# KiCad board Marble.kicad_pcb (continued)
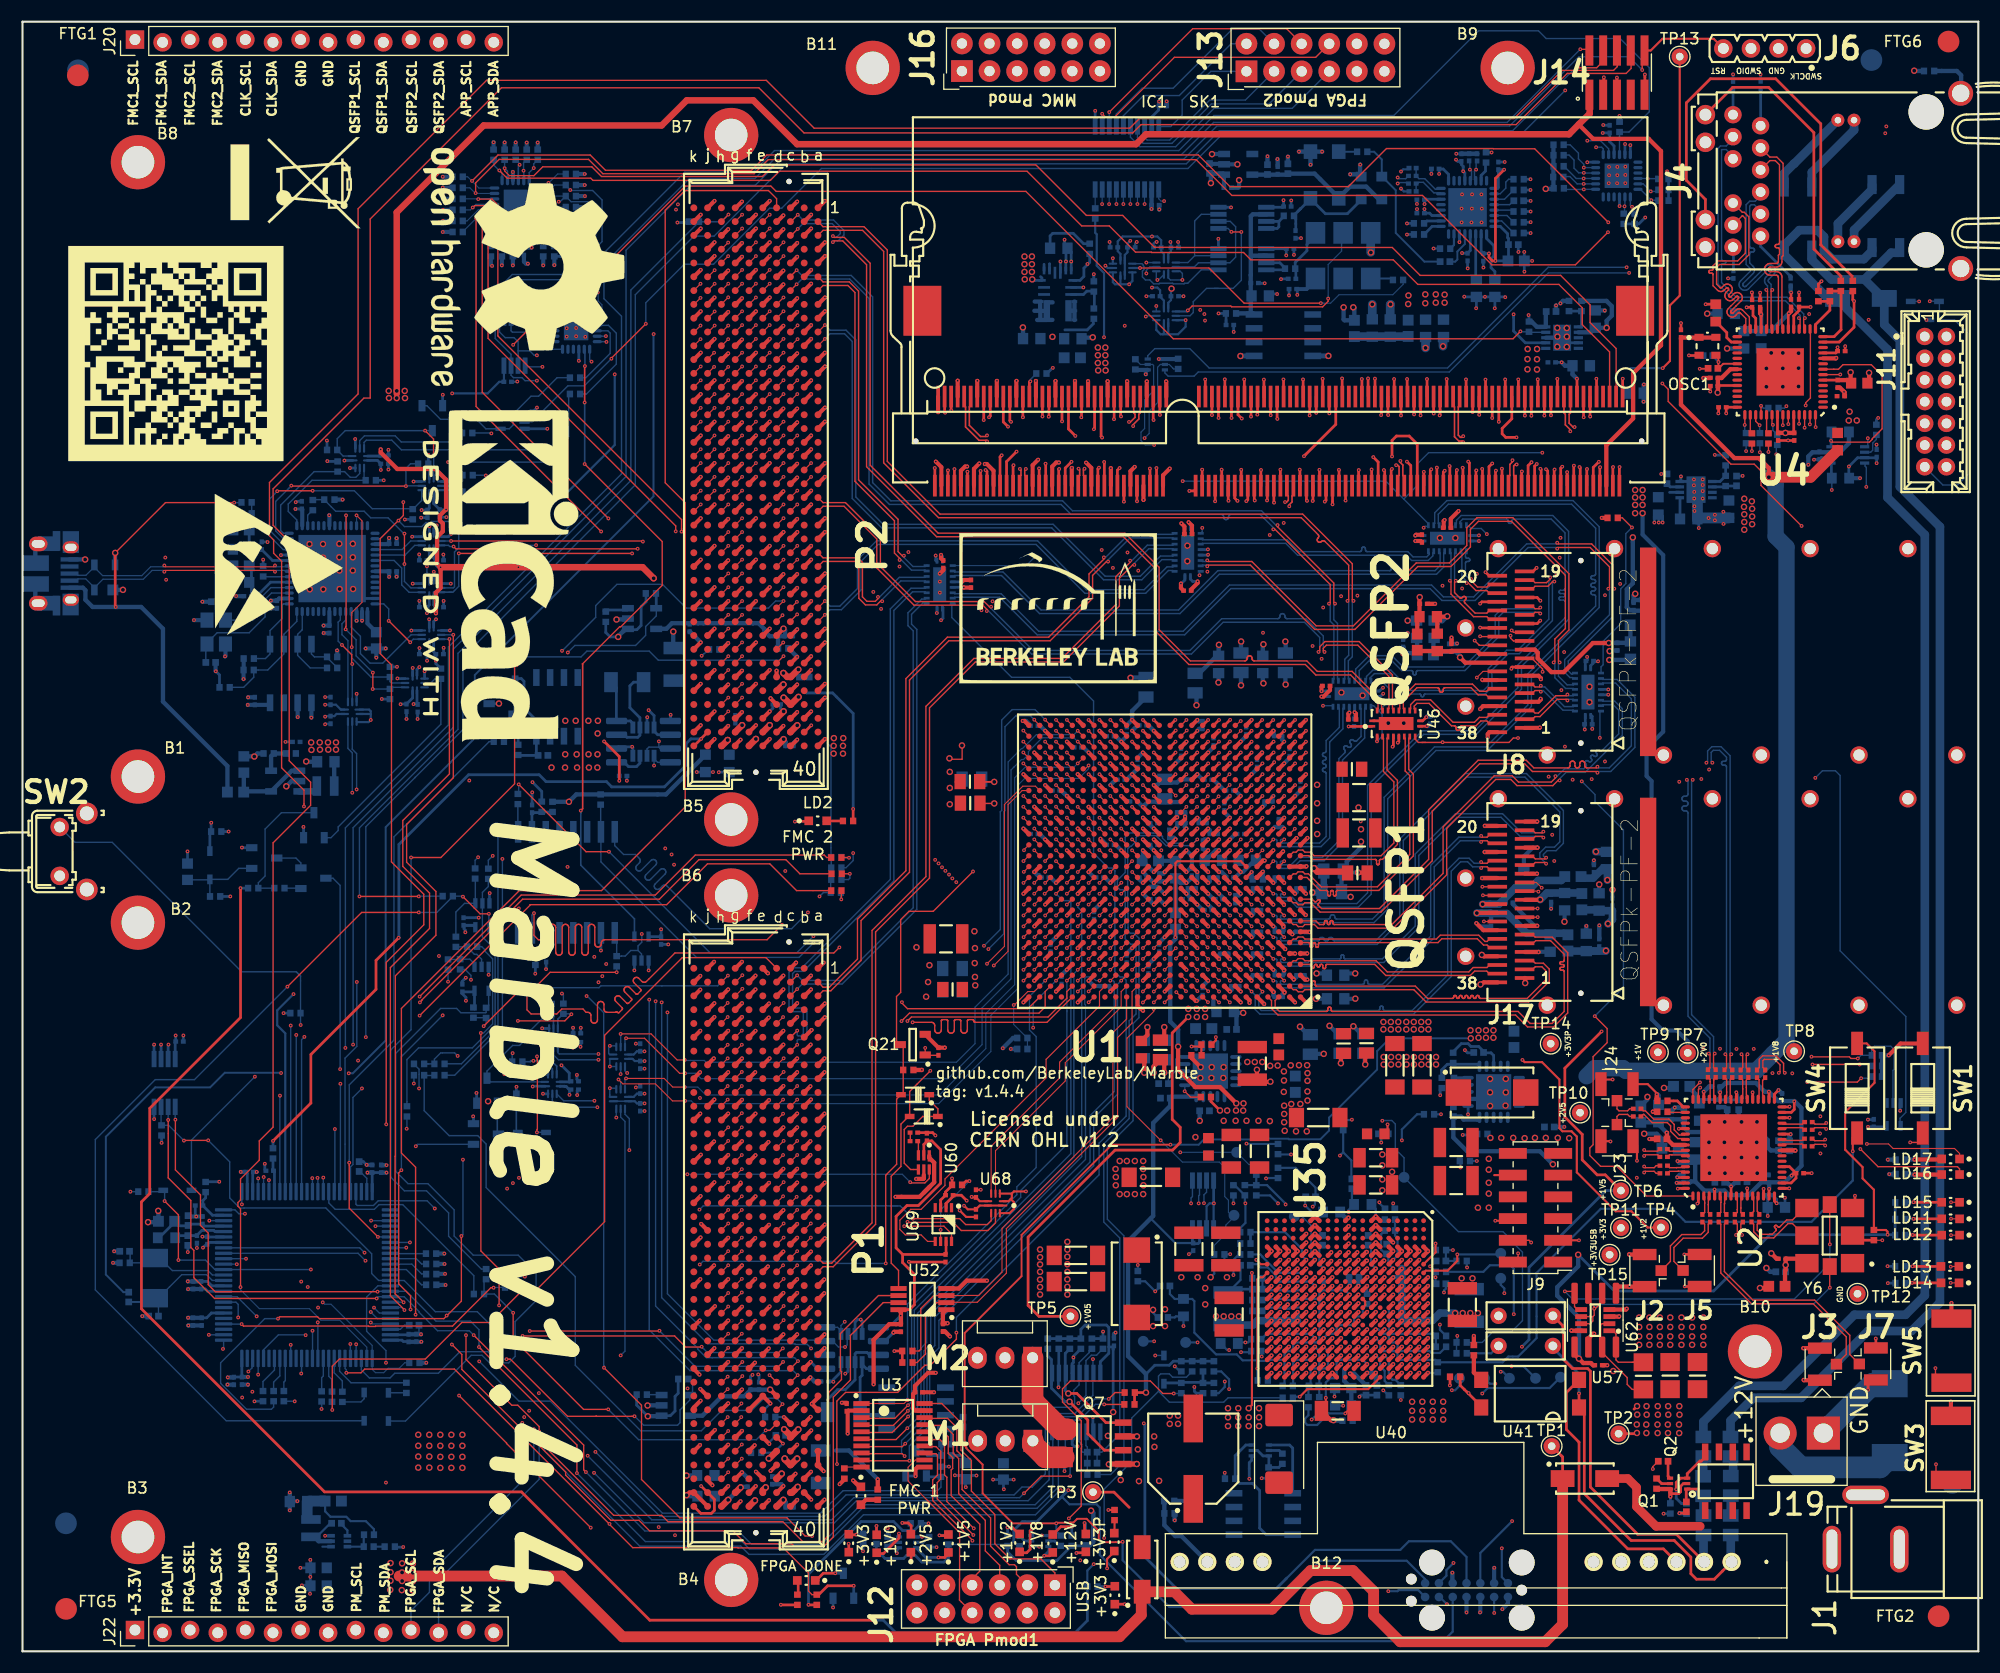
[diagram p0: board, top side]
## Placement (name value [footprint] x y rotation side) (continued)
R134  0R005  [RESC3216X80N#2]  121.05 22.13 0 top
R135  R0402_0R_JUMPER  [RESC1005X40N]  23.11 23.49 90 bottom
R136  R0402_0R_JUMPER  [RESC1005X40N]  24.05 23.49 90 bottom
R137  R0402_10K_1%_0.0625W_100PPM  [RESC1005X40N]  36.07 26.56 0 bottom
R138  R0402_10K_1%_0.0625W_100PPM  [RESC1005X40N]  11.12 42.31 180 bottom
R139  R0402_100R_1%_0.1W_100PPM  [RESC1005X40N]  118.35 22.93 270 bottom
R140  R0402_0R_JUMPER  [RESC1005X40N]  109.65 24.23 90 bottom
R141  R0402_0R_JUMPER  [RESC1005X40N]  108.65 24.23 90 bottom
R142  R0402_10K_1%_0.0625W_100PPM  [RESC1005X40N]  44.88 33.49 0 bottom
R143  R0402_0R_JUMPER  [RESC1005X40N]  130.55 28.03 180 bottom
R144  R0402_1K_1%_0.0625W_100PPM  [RESC1005X40N]  37.6 36.6 0 bottom
R145  R0402_0R_JUMPER  [RESC1005X40N]  125.75 24.03 270 bottom
R146  R0402_1K_1%_0.0625W_100PPM  [RESC1005X40N]  37.61 35.65 0 bottom
R147  R0402_1K_1%_0.0625W_100PPM  [RESC1005X40N]  37.61 34.72 0 bottom
R148  R0402_0R_JUMPER  [RESC1005X40N]  126.85 24.03 270 bottom
R149  R0402_100K_1%_0.0625W_100PPM  [RESC1005X40N]  108.65 26.23 90 bottom
R150  R0402_0R_JUMPER  [RESC1005X40N]  125.85 38.73 0 bottom
R151  R0402_100R_1%_0.1W_100PPM  [RESC1005X40N]  35.33 24.25 90 bottom
R152  R0402_100R_1%_0.1W_100PPM  [RESC1005X40N]  29.44 23.42 90 bottom
R153  R0402_100R_1%_0.1W_100PPM  [RESC1005X40N]  28.48 23.43 90 bottom
R154  R0402_100R_1%_0.1W_100PPM  [RESC1005X40N]  27.53 23.46 90 bottom
R155  R0402_0R_JUMPER  [RESC1005X40N]  125.85 39.73 0 bottom
R156  R0402_240R_1%_0.0625W_100PPM  [RESC1005X40N]  168.45 125.68 270 top
R157  R0402_100K_1%_0.0625W_100PPM  [RESC1005X40N]  107.65 26.23 90 bottom
R158  R0402_1K_1%_0.0625W_100PPM  [RESC1005X40N]  37.61 33.73 0 bottom
R159  R0402_0R_JUMPER  [RESC1005X40N]  44.88 34.48 180 bottom
R160  R0402_2K2_1%_0.0625W_100PPM  [RESC1005X40N]  81.53 53.51 180 top
R161  R0402_100R_1%_0.1W_100PPM  [RESC1005X40N]  113.69 71.06 0 bottom
R162  R0402_300R_1%_0.0625W_100PPM  [RESC1005X40N]  73.1 4.74 90 top
R163  R0402_1K_1%_0.0625W_100PPM  [RESC1005X40N]  71.32 4.74 90 top
R164  R0402_0R_JUMPER  [RESC1005X40N]  132.45 28.43 180 bottom
R165  R0402_0R_JUMPER  [RESC1005X40N]  175.48 145.47 0 bottom
R166  R0402_4K7_1%_0.0625W_100PPM  [RESC1005X40N]  45.77 101.34 90 bottom
R167  R0402_100K_1%_0.0625W_100PPM  [RESC1005X40N]  106.65 26.23 90 bottom
R168  R0402_1K8_1%_0.0625W_100PPM  [RESC1005X40N]  131.67 54.63 270 bottom
R169  R0402_0R_JUMPER  [RESC1005X40N]  132.45 27.43 180 bottom
R170  R0402_0R_JUMPER  [RESC1005X40N]  132.45 35.93 0 bottom
R171  R0402_0R_JUMPER  [RESC1005X40N]  112.55 37.53 0 bottom
R172  R0402_10K_1%_0.0625W_100PPM  [RESC1005X40N]  95.91 17.82 90 bottom
R173  R0402_10K_1%_0.0625W_100PPM  [RESC1005X40N]  98.42 28.31 270 bottom
R174  R0402_10K_1%_0.0625W_100PPM  [RESC1005X40N]  94.36 28.31 270 bottom
R175  R0402_10K_1%_0.0625W_100PPM  [RESC1005X40N]  95.37 28.31 270 bottom
R176  R0402_10K_1%_0.0625W_100PPM  [RESC1005X40N]  96.39 28.31 270 bottom
R177  R0402_10K_1%_0.0625W_100PPM  [RESC1005X40N]  97.41 28.31 270 bottom
R178  R0402_10K_1%_0.0625W_100PPM  [RESC1005X40N]  12.8 47.95 90 bottom
R179  R0402_1K_1%_0.0625W_100PPM  [RESC1005X40N]  131.85 25.27 0 top
R180  R0402_0R_JUMPER  [RESC1005X40N]  112.55 38.58 0 bottom
R181  R0402_47K_1%_0.0625W_100PPM  [RESC1005X40N]  114.68 16.45 270 bottom
R182  R1206_0R082_1%_0.5W_100PPM  [RESC3216X80N#2]  75.59 22.01 180 bottom
R183  R1206_0R082_1%_0.5W_100PPM  [RESC3216X80N#2]  55.66 89.21 0 bottom
R184  R0402_1K_1%_0.0625W_100PPM  [RESC1005X40N]  115.95 17.72 90 bottom
R185  R0402_0R_JUMPER  [RESC1005X40N]  110.15 36.53 0 bottom
R186  R0402_0R_JUMPER  [RESC1005X40N]  110.15 35.53 0 bottom
R187  R0402_0R_JUMPER  [RESC1005X40N]  111.45 42.43 270 bottom
R188  R0402_10K_1%_0.0625W_100PPM  [RESC1005X40N]  84.53 16.53 90 bottom
R189  R0402_3K6_1%_0.0625W_100PPM  [RESC1005X40N]  130.63 52.31 270 bottom
R190  R0402_0R_JUMPER  [RESC1005X40N]  113.55 44.33 270 bottom
R191  R0402_0R_JUMPER  [RESC1005X40N]  113.55 42.43 90 bottom
R192  R0402_0R_JUMPER  [RESC1005X40N]  112.5 42.44 90 bottom
R193  R0402_0R_JUMPER  [RESC1005X40N]  113.65 32.33 0 bottom
R194  R0402_100K_1%_0.0625W_100PPM  [RESC1005X40N]  112.55 36.53 180 bottom
R195  R0402_7K5_1%_0.0625W_100PPM  [RESC1005X40N]  108.96 55.85 180 top
R196  R0402_24K_1%_0.0625W_100PPM  [RESC1005X40N]  108.05 54.85 180 top
R197  R0402_0R_JUMPER  [RESC1005X40N]  105.53 13.83 180 bottom
R198  R0402_0R_JUMPER  [RESC1005X40N]  105.56 12.69 0 bottom
R199  R0402_2K2_1%_0.0625W_100PPM  [RESC1005X40N]  146.98 140.32 270 bottom
R200  R0402_0R_JUMPER  [RESC1005X40N]  26.72 105.5 270 bottom
R201  R0402_10K_1%_0.0625W_100PPM  [RESC1005X40N]  43.84 83.73 0 bottom
R202  R0402_10K_1%_0.0625W_100PPM  [RESC1005X40N]  85.04 18.02 180 bottom
R203  R0402_10K_1%_0.0625W_100PPM  [RESC1005X40N]  45.34 89.07 270 bottom
R204  R0402_10K_1%_0.0625W_100PPM  [RESC1005X40N]  28.5 110.58 0 bottom
R205  R0402_10K_1%_0.0625W_100PPM  [RESC1005X40N]  61.8 131.6 0 bottom
R206  R0402_100K_1%_0.0625W_100PPM  [RESC1005X40N]  130.55 29.03 0 bottom
R207  R0402_0R_JUMPER  [RESC1005X40N]  125.25 47.63 0 bottom
R208  R0402_0R_JUMPER  [RESC1005X40N]  115.55 46.23 90 bottom
R209  R0402_0R_JUMPER  [RESC1005X40N]  54.68 63.52 90 bottom
R210  R0402_0R_JUMPER  [RESC1005X40N]  45.59 78.45 270 bottom
R211  R0402_0R_JUMPER  [RESC1005X40N]  132.75 45.13 0 bottom
R212  R0402_82K_1%_0.0625W_100PPM  [RESC1005X40N]  111.14 15.88 180 bottom
R213  R0402_10K_1%_0.0625W_100PPM  [RESC1005X40N]  85.04 19.07 0 bottom
R214  R0402_10K_1%_0.0625W_100PPM  [RESC1005X40N]  45.62 82.97 270 bottom
R215  R0402_0R_JUMPER  [RESC1005X40N]  48.69 59.12 270 bottom
R216  R0402_0R_JUMPER  [RESC1005X40N]  45.54 53.13 0 bottom
R217  90K9  [RESC1608X55N]  111.05 28.33 0 bottom
R218  R0402_0R_JUMPER  [RESC1005X40N]  104.95 30.73 180 bottom
R219  13K3  [RESC1608X55N]  106.85 31.63 90 bottom
R220  30K0  [RESC1608X55N]  123.35 41.13 180 bottom
R221  R0402_2K2_1%_0.0625W_100PPM  [RESC1005X40N]  92.02 56.46 0 bottom
R222  R0402_2K2_1%_0.0625W_100PPM  [RESC1005X40N]  92.02 55.44 180 bottom
R223  R0402_2K2_1%_0.0625W_100PPM  [RESC1005X40N]  53.21 78.4 270 bottom
R224  R0402_0R_JUMPER  [RESC1005X40N]  47.79 77.74 270 bottom
R225  R0402_0R_JUMPER  [RESC1005X40N]  48.78 77.73 270 bottom
R226  19K1  [RESC1608X55N]  120.5 40.43 180 bottom
R227  R0402_0R_JUMPER  [RESC1005X40N]  47.2 63.64 90 bottom
R228  R0402_0R_JUMPER  [RESC1005X40N]  45.54 54.27 0 bottom
R229  R0402_0R_JUMPER  [RESC1005X40N]  49.78 59.15 270 bottom
R230  R0402_0R_JUMPER  [RESC1005X40N]  40.97 106.73 0 bottom
R231  R0402_0R_JUMPER  [RESC1005X40N]  40.97 108.26 0 bottom
R232  R0402_0R_JUMPER  [RESC1005X40N]  40.93 110.59 0 bottom
R233  R0402_0R_JUMPER  [RESC1005X40N]  40.93 112.14 0 bottom
R234  R0402_10K_1%_0.0625W_100PPM  [RESC1005X40N]  41.5 58.79 270 bottom
R235  R0402_10K_1%_0.0625W_100PPM  [RESC1005X40N]  78.71 14.42 270 top
R236  R0402_10K_1%_0.0625W_100PPM  [RESC1005X40N]  75.98 76.43 180 top
R237  R0402_0R_JUMPER  [RESC1005X40N]  39.16 63.21 90 bottom
R238  R0402_0R_JUMPER  [RESC1005X40N]  39.89 65.31 270 bottom
R239  R0402_0R_JUMPER  [RESC1005X40N]  36.5 54.07 180 bottom
R240  R0402_0R_JUMPER  [RESC1005X40N]  36.5 53.03 180 bottom
R241  R0402_0R_JUMPER  [RESC1005X40N]  38.38 54.07 180 bottom
R242  R0402_0R_JUMPER  [RESC1005X40N]  38.38 53.03 180 bottom
R243  R0402_0R_JUMPER  [RESC1005X40N]  129.45 49.43 0 bottom
R244  R0402_0R_JUMPER  [RESC1005X40N]  121.55 48.43 90 bottom
R245  R0402_1K_1%_0.0625W_100PPM  [RESC1005X40N]  106.65 24.23 270 bottom
R246  R0402_10K_1%_0.0625W_100PPM  [RESC1005X40N]  45.45 50.87 270 bottom
R247  R0402_10K_1%_0.0625W_100PPM  [RESC1005X40N]  83.44 10.05 90 bottom
R248  R0402_1K_1%_0.0625W_100PPM  [RESC1005X40N]  77.37 10.35 90 bottom
R249  R0402_10K_1%_0.0625W_100PPM  [RESC1005X40N]  78.58 10.35 90 bottom
R250  R0402_10K_1%_0.0625W_100PPM  [RESC1005X40N]  79.63 10.07 270 bottom
R251  R0402_1K_1%_0.0625W_100PPM  [RESC1005X40N]  82.22 11.78 180 bottom
R252  R0402_10K_1%_0.0625W_100PPM  [RESC1005X40N]  85.21 10.3 90 bottom
R253  R0402_10K_1%_0.0625W_100PPM  [RESC1005X40N]  95.55 10.18 270 bottom
R254  R0402_10K_1%_0.0625W_100PPM  [RESC1005X40N]  90.66 10.16 90 bottom
R255  R0402_10K_1%_0.0625W_100PPM  [RESC1005X40N]  91.77 10.15 90 bottom
R256  R0402_10K_1%_0.0625W_100PPM  [RESC1005X40N]  96.57 10.18 90 bottom
R257  R0402_10K_1%_0.0625W_100PPM  [RESC1005X40N]  97.84 10.23 90 bottom
R258  R0402_10K_1%_0.0625W_100PPM  [RESC1005X40N]  57.83 97.37 0 bottom
R259  R0402_1K_1%_0.0625W_100PPM  [RESC1005X40N]  53.68 95.23 90 bottom
R260  R0402_10K_1%_0.0625W_100PPM  [RESC1005X40N]  60.82 25.06 0 bottom
R261  R0402_1K_1%_0.0625W_100PPM  [RESC1005X40N]  56.99 23.63 0 bottom
R262  R0402_10K_1%_0.0625W_100PPM  [RESC1005X40N]  170.62 112.44 270 bottom
R263  R0402_10K_1%_0.0625W_100PPM  [RESC1005X40N]  25.12 58.74 0 bottom
R264  R0402_1K_1%_0.0625W_100PPM  [RESC1005X40N]  172.82 35.44 0 bottom
R265  R0402_1K_1%_0.0625W_100PPM  [RESC1005X40N]  172.84 33.89 0 bottom
R266  R0402_1K_1%_0.0625W_100PPM  [RESC1005X40N]  172.82 38.31 0 bottom
R267  R0402_1K_1%_0.0625W_100PPM  [RESC1005X40N]  172.82 39.78 0 bottom
R268  R0402_1K_1%_0.0625W_100PPM  [RESC1005X40N]  172.83 41.32 0 bottom
R269  R0402_82K_1%_0.0625W_100PPM  [RESC1005X40N]  23.64 70.25 0 bottom
R270  R0402_10K_1%_0.0625W_100PPM  [RESC1005X40N]  17.73 69.48 180 bottom
R271  R0402_10K_1%_0.0625W_100PPM  [RESC1005X40N]  21.23 70.25 180 bottom
R272  R0402_10K_1%_0.0625W_100PPM  [RESC1005X40N]  17.83 75.45 180 bottom
R273  R0402_47K_1%_0.0625W_100PPM  [RESC1005X40N]  38.5 89.98 270 bottom
R274  R0402_0R_JUMPER  [RESC1005X40N]  50.47 129.84 180 bottom
R275  R0402_0R_JUMPER  [RESC1005X40N]  35.38 49.7 270 bottom
R276  R0402_10K_1%_0.0625W_100PPM  [RESC1005X40N]  39.14 69.51 0 bottom
R277  R0402_0R_JUMPER  [RESC1005X40N]  40.28 63.24 90 bottom
R278  R0402_0R_JUMPER  [RESC1005X40N]  41.37 64.86 180 bottom
R279  R0402_0R_JUMPER  [RESC1005X40N]  41.65 71.59 270 bottom
R280  R0402_0R_JUMPER  [RESC1005X40N]  42.87 71.57 270 bottom
R281  R0402_0R_JUMPER  [RESC1005X40N]  133.58 27.71 90 top
R282  R0402_4K7_1%_0.0625W_100PPM  [RESC1005X40N]  74.9 72.13 180 bottom
R283  R0402_1K_1%_0.0625W_100PPM  [RESC1005X40N]  74.88 73.09 0 bottom
R284  R0402_1K_1%_0.0625W_100PPM  [RESC1005X40N]  74.9 71.03 180 bottom
R285  R0402_1K_1%_0.0625W_100PPM  [RESC1005X40N]  74.85 69.84 180 bottom
R286  R0402_0R_JUMPER  [RESC1005X40N]  74.9 73.07 180 top
R287  R0402_0R_JUMPER  [RESC1005X40N]  74.93 71.57 180 top
R288  R0402_0R_JUMPER  [RESC1005X40N]  74.9 70.02 180 top
R289  R0402_0R_JUMPER  [RESC1005X40N]  42.67 34.71 270 bottom
R290  R0402_0R_JUMPER  [RESC1005X40N]  42.01 32.88 180 bottom
R291  R0402_22R_1%_0.0625W_100PPM  [RESC1005X40N]  158.63 111.67 270 bottom
R292  R0402_22R_1%_0.0625W_100PPM  [RESC1005X40N]  161.15 114.44 0 bottom
R293  R0402_22R_1%_0.0625W_100PPM  [RESC1005X40N]  159.17 111.64 270 top
R294  R0402_22R_1%_0.0625W_100PPM  [RESC1005X40N]  159.9 111.67 270 bottom
R295  R0402_22R_1%_0.0625W_100PPM  [RESC1005X40N]  160.69 111.64 270 top
R296  R0402_22R_1%_0.0625W_100PPM  [RESC1005X40N]  161.5 111.51 270 bottom
R297  R0402_10K_1%_0.0625W_100PPM  [RESC1005X40N]  170.67 52.9 0 bottom
R298  R0402_10K_1%_0.0625W_100PPM  [RESC1005X40N]  170.67 53.88 0 bottom
R299  R0402_10K_1%_0.0625W_100PPM  [RESC1005X40N]  170.67 54.86 0 bottom
R300  R0402_10K_1%_0.0625W_100PPM  [RESC1005X40N]  146.35 104.33 180 top
R301  R0402_4K7_1%_0.0625W_100PPM  [RESC1005X40N]  147.37 131.86 90 bottom
R302  R0402_4K7_1%_0.0625W_100PPM  [RESC1005X40N]  148.37 131.86 90 bottom
R303  R0402_4K7_1%_0.0625W_100PPM  [RESC1005X40N]  151.02 133.53 0 bottom
R304  R0402_4K7_1%_0.0625W_100PPM  [RESC1005X40N]  151.02 134.52 0 bottom
R305  R0402_4K7_1%_0.0625W_100PPM  [RESC1005X40N]  151.01 135.53 0 bottom
R306  R0402_0R_JUMPER  [RESC1005X40N]  115.55 44.03 270 bottom
R307  R0402_0R_JUMPER  [RESC1005X40N]  102.65 34.53 90 bottom
R308  R0402_100K_1%_0.0625W_100PPM  [RESC1005X40N#2]  130.25 26.13 90 bottom
R309  R0402_4K7_1%_0.0625W_100PPM  [RESC1005X40N]  109.65 26.23 90 bottom
REF**  -  [WEEE-Logo_8.4x12mm_SilkScreen]  25.12 135.19 270 top
REF**#2  -  [KiCad-Logo2_12mm_SilkScreen]  45.23 99 270 top
REF**#3  -  [ESD-Logo_13.2x12mm_SilkScreen]  23.62 100.03 270 top
REF**#4  -  [OSHW-Logo2_24.3x20mm_SilkScreen]  46.15 127.43 270 top
REF**#5  -  [OSHW-Logo2_14.6x12mm_SilkScreen]  160.37 92.14 180 bottom
REF**#6  -  [ESD-Logo_13.2x12mm_SilkScreen]  88.44 133.87 0 bottom
REF**#7  -  [WEEE-Logo_8.4x12mm_SilkScreen]  136.1 16.28 180 bottom
REF**#8  -  [KiCad-Logo2_12mm_SilkScreen]  21.83 123.87 90 bottom
SK1  -  [TYCO_2-2013022-1]  115.62 111.39 0 top
SW1  SW_DIP_x01  [SW_OMRON_A6SN-1101]  174.89 51.83 90 top
SW2  SKHHLQA010  [PB_ALPS_SKHHLQA010]  4.67 73.63 0 top
SW3  -  [KSS241GLFS]  177.48 18.72 270 top
SW4  SW_DIP_x01  [SW_OMRON_A6SN-1101]  168.85 51.83 90 top
SW5  -  [KSS241GLFS]  177.53 27.68 270 top
TP1  TestPoint  [TestPoint_THTPad_D1.5mm_Drill0.7mm]  140.74 18.88 0 top
TP2  TestPoint  [TestPoint_THTPad_D1.5mm_Drill0.7mm]  146.9 20.03 0 top
TP3  TestPoint  [TestPoint_THTPad_D1.5mm_Drill0.7mm]  98.52 14.65 0 top
TP4  TestPoint  [TestPoint_THTPad_D1.5mm_Drill0.7mm]  150.8 39 0 top
TP5  TestPoint  [TestPoint_THTPad_D1.5mm_Drill0.7mm]  96.45 30.83 0 top
TP6  TestPoint  [TestPoint_THTPad_D1.5mm_Drill0.7mm]  147.11 42.41 0 top
TP7  TestPoint  [TestPoint_THTPad_D1.5mm_Drill0.7mm]  153.26 55.08 0 top
TP8  TestPoint  [TestPoint_THTPad_D1.5mm_Drill0.7mm]  163.05 55.23 0 top
TP9  TestPoint  [TestPoint_THTPad_D1.5mm_Drill0.7mm]  150.52 55.13 0 top
TP10  TestPoint  [TestPoint_THTPad_D1.5mm_Drill0.7mm]  143.35 49.58 0 top
TP11  TestPoint  [TestPoint_THTPad_D1.5mm_Drill0.7mm]  147.11 38.98 0 top
TP12  TestPoint  [TestPoint_THTPad_D1.5mm_Drill0.7mm]  168.88 32.91 0 top
TP13  TestPoint  [TestPoint_THTPad_D1.5mm_Drill0.7mm]  152.52 146.79 0 top
TP14  TestPoint  [TestPoint_THTPad_D1.5mm_Drill0.7mm]  140.65 55.93 0 top
TP15  TestPoint  [TestPoint_THTPad_D1.5mm_Drill0.7mm]  146.07 36.5 0 top
TP16  TestPoint  [TestPoint_Pad_D1.0mm]  136.05 36.63 180 bottom
TP17  TestPoint  [TestPoint_Pad_D1.0mm]  103.15 28.53 180 bottom
TP18  TestPoint  [TestPoint_Pad_D1.0mm]  134.55 25.13 180 bottom
TP19  TestPoint  [TestPoint_Pad_D1.0mm]  132.25 25.13 180 bottom
TP20  TestPoint  [TestPoint_Pad_D1.0mm]  127.15 43.63 180 bottom
TP21  TestPoint  [TestPoint_Pad_D1.0mm]  111.5 40.13 180 bottom
TP22  TestPoint  [TestPoint_Pad_D1.0mm]  111.75 45.93 180 bottom
TP23  TestPoint  [TestPoint_Pad_D1.0mm]  117.05 40.03 180 bottom
TP24  TestPoint  [TestPoint_Pad_D1.0mm]  136.85 25.13 180 bottom
TP25  TestPoint  [TestPoint_Pad_D1.0mm]  136.05 34.33 180 bottom
TP26  TestPoint  [TestPoint_Pad_D1.0mm]  107.05 28.43 180 bottom
TP27  TestPoint  [TestPoint_Pad_D1.0mm]  141.55 25.23 90 bottom
TP28  TestPoint  [TestPoint_Pad_D1.0mm]  139.25 25.13 90 bottom
U1  XC7K160T-2FFG676C  [BGA676C100P26X26_2700X2700X260]  105.12 72.73 180 top
U2  ADN4600ACPZ  [QFN50P900X900X100-65N-S615]  157.49 46.36 90 top
U3  TXS0108E  [SOP65P640X120-20N]  80.12 19.88 0 top
U4  88E1512-A0-NNP2I000  [QFN50P800X800X100-57N-S437]  161.77 117.76 180 top
U5  TCA9548ARGER  [QFN50P400X400X100-25N-S220]  45.39 133.44 0 bottom
U6  TXS0102DCUR  [SOP50P310X90-8N]  167.99 110.12 0 bottom
U7  74LVC1G66GW,125  [SOT65P210X110-5N]  42.33 67.74 270 bottom
U8  SN74AVC2T245RSWR  [QFN40P140X180X55-10N]  48.87 56.43 0 bottom
U9  SN74AVC2T245RSWR  [QFN40P140X180X55-10N]  48.77 52.21 0 bottom
U10  74LVC1G66GW,125  [SOT65P210X110-5N]  42.25 61.9 270 bottom
U11  SN74LVC1G125DCK  [SOT65P210X110-5N]  56.97 64.68 90 bottom
U12  TXS0108E  [SOP65P640X120-20N]  101.65 137.46 90 bottom
U13  LP5951MF-3.0/NOPB  [SOT95P284X122-5N]  111.89 136.87 0 bottom
U14  LM336M-2.5  [SOIC127P600X175-8N]  116.05 121.14 180 bottom
U15  SN74AVC2T245RSWR  [QFN40P140X180X55-10N]  37.64 97.88 270 bottom
U16  DAC8550IDGK  [SOP65P490X110-8N]  112.27 128.14 180 bottom
U17  INA219BIDCNT  [SOT65P280X145-8N]  76.3 27.92 90 bottom
U18  AP62150Z6  [SOT-563]  29.15 10.13 0 bottom
U19  DAC8550IDGK  [SOP65P490X110-8N]  112.27 131.95 180 bottom
U20  CDCM61004RHB  [QFN50P500X500X100-33N-S355]  133 132.91 270 bottom
U21  M93C46-WMN6TP  [SOIC127P600X175-8N]  24.69 90.01 270 bottom
U22  TLV62565DBV  [SOT95P280X145-5N]  24.18 80.1 180 bottom
U23  FT4232H-56Q  [QFN50P800X800X100-57N-S620]  28.5 99.66 0 bottom
U24  SN74AVC2T245RSWR  [QFN40P140X180X55-10N]  36.1 89.13 270 bottom
U25  SN74AVC2T245RSWR  [QFN40P140X180X55-10N]  37.64 93.56 270 bottom
U26  SN74AVC2T245RSWR  [QFN40P140X180X55-10N]  37.64 107.28 270 bottom
U27  MAX6639AEE+  [SOP63P600X175-16N]  96.97 22.9 270 bottom
U28  LM75AIMM/NOPB  [SOP65P490X109-8N]  13.08 52.31 90 bottom
U29  LM75AIMM/NOPB  [SOP65P490X109-8N]  108.65 41.13 270 bottom
U30  S25FL128S  [SOIC127P1030X265-16N]  50.06 70.78 270 bottom
U31  TPS51200DRC  [TEXAS_DRC(S-PVSON-N10)]  141.7 120.91 180 bottom
U32  INA219BIDCNT  [SOT65P280X145-8N]  57.15 83.73 270 bottom
U33  SN74AVC2T245RSWR  [QFN40P140X180X55-10N]  31.04 109.82 0 bottom
U34  PCAL9555AHF  [QFN50P400X400X80-25N-S225]  146.73 135.82 180 bottom
U35  LTM4673IY#PBF  [BGA361C80P19X19_1600X1600X491]  121.75 32.43 270 top
U36  TPS74401RGWT  [QFN65P500X500X100-21N-S325]  135.39 51.49 180 bottom
U37  TPS74401RGWT  [QFN65P500X500X100-21N-S325]  109.32 53.41 180 bottom
U38  SN74AVC2T245RSWR  [QFN40P140X180X55-10N]  37.64 102.2 270 bottom
U39  PCAL9555AHF  [QFN50P400X400X80-25N-S225]  50.95 121.8 180 bottom
U40  -  [AG5300]  132.28 10.23 180 top
U41  FOD817DSD  [FAIRCHILD_FOD817DSD]  138.75 23.71 180 top
U42  SN74AVC2T245RSWR  [QFN40P140X180X55-10N]  105.25 122.93 90 bottom
U43  MIC2090-1YM5TR  [SOT95P280X145-5N]  60.12 22.63 0 bottom
U44  PI3DBS16212ZBBEX  [PERICOM_ZBS20]  84.41 98.19 180 bottom
U45  PI3DBS16212ZBBEX  [PERICOM_ZBS20]  107.24 101.16 180 bottom
U46  PI3DBS16212ZBBEX  [PERICOM_ZBS20]  126.43 85.4 90 top
U47  ADM7155ACPZ-02-R7  [SON50P300X300X80-9N-R175X248]  154.03 106.93 0 bottom
U48  PI3DBS16212ZBBEX  [PERICOM_ZBS20]  122.36 88.14 90 bottom
U49  PI3DBS16212ZBBEX  [PERICOM_ZBS20]  144.08 88.29 180 bottom
U50  PI3DBS16212ZBBEX  [PERICOM_ZBS20]  131.14 102.45 270 bottom
U51  SN74AVC2T245RSWR  [QFN40P140X180X55-10N]  55.05 50.83 0 bottom
U52  PCA9509DP  [SOP65P490X110-8N]  82.83 32.42 180 top
U53  SN74AVC2T245RSWR  [QFN40P140X180X55-10N]  105.25 127.43 90 bottom
U54  STM32F207VCTx  [LQFP-100_14x14mm_P0.5mm]  26.18 34.64 0 bottom
U55  MIC2090-1YM5TR  [SOT95P280X145-5N]  57.02 95.06 0 bottom
U56  74AHC1G04GW  [SOT65P212X110-5N]  172.21 49.42 270 bottom
U57  INA219BIDCNT  [SOT65P280X145-8N]  144.75 30.48 180 top
U58  MPM3830GQV  [MPM3830GQVP]  95.27 124.64 180 bottom
U59  TCA9517DGKR  [SOP65P490X110-8N]  45.29 120.54 270 bottom
U60  TPS3703A7330DSER  [SON50P150X150X80-6N]  82.95 45 270 top
U61  SN74LVC1G125DCK  [SOT65P210X110-5N]  45.1 113.18 180 bottom
U62  INA219AIDR  [SOIC-8_3.9x4.9mm_P1.27mm]  144.75 30.48 270 top
U63  INA219AIDR  [SOIC-8_3.9x4.9mm_P1.27mm]  76.3 27.92 0 bottom
U64  INA219AIDR  [SOIC-8_3.9x4.9mm_P1.27mm]  57.15 83.73 180 bottom
U65  SN74AVC2T245RSWR  [QFN40P140X180X55-10N]  55.05 54.73 0 bottom
U66  SN74AVC2T245RSWR  [QFN40P140X180X55-10N]  30.35 86.48 180 bottom
U67  SN74AVC2T245RSWR  [QFN40P140X180X55-10N]  101.25 127.33 90 bottom
U68  SN74AVC2T245RSWR  [QFN40P140X180X55-10N]  89.55 41.23 180 top
U69  TXS0102DCUR  [SOP50P310X90-8N]  84.75 39.28 270 top
Y1  OSC_25MHZ_RAKON_IVT3205CR  [OSC_ABRACON_ASEMPC]  124.15 134.69 0 bottom
Y2  VM53S3-25.000-2.5/-30+75  [OSCCC320X500X160-4N]  119.84 135.9 0 bottom
Y3  OSC_20MHZ_IQD_LFVCXO026156  [OSC_IQD_CFPV-45]  121.54 128.47 270 bottom
Y4  XTAL_12MHZ_TXC_7M-12.000MAAJ-T  [XTAL_TXC_7M]  17.83 93.82 180 bottom
Y5  XTAL_8MHZ_TXC_7A-8.000MAAE-T  [XTAL_TXC_7A]  12.19 34.35 90 bottom
Y6  OSC_10-280MHZ_SILICON-LAB_570NBB001808DGR  [OSC_SILICON-LAB_SI570]  166.33 38.27 180 top

## Library data of the parts
B1-B12 = -: Component Kind: Standard (No BOM); Component Type: Standard (No BOM); ComponentHeight: 0mm; CreateDate: 09/27/11 00:00:00; Family: Plated Hole; Footprint Path: PcbLib\Pads.PcbLib; Footprint Ref: MTG300_500; LatestRevisionDate: 09/27/11 00:00:00; Library Name: Eletro-mechanical.DbLib; Library Path: SchLib\Pads.SchLib; Library Ref: Single Terminal Socket; License: This work is licensed under the Creative Commons CC-BY-SA 4.0 License. To the extent that circuit schematics that use Licensed Material can be considered to be ‘Adapted Material’, then the copyright holder waives article 3.b of the license with respect to these schematics.; Mounted: No; PackageDescription: Plated Through Hole: Hole Dia.=3.0mm Pad Dia.=5.0mm; Part Description: Plated Through Hole: Hole Dia.=3.0mm Pad Dia.=5.0mm; Pin Count: 1; SMD: No; Sense: No; Socket: No; Status: None
C1 C22 C26 C27 C106 C111 C113 C118-C121 C132 C146 C172 C222 C225 C280-C283 C296-C298 C302-C304 C384 C385 C401-C403 C407-C409 C411 C413 C414 = -: Case: 0603; Comment: =Value; Component Kind: Standard; Component Type: Standard; CreateDate: 12/16/13 00:00:00; Footprint Path: PcbLib\Capacitors SMD.PcbLib; Footprint Ref: CAPC1709X100N; LatestRevisionDate: 09/13/16 00:00:00; Library Name: Capacitors SMD; Library Path: SchLib\Capacitors.SchLib; Library Ref: Capacitor - non polarized; License: This work is licensed under the Creative Commons CC-BY-SA 4.0 License. To the extent that circuit schematics that use Licensed Material can be considered to be ‘Adapted Material’, then the copyright holder waives article 3.b of the license with respect to these schematics.; Manufacturer: GENERIC; Manufacturer1 ComponentHeight: 1mm; Manufacturer1 Example: TDK; Manufacturer1 Part Number: C1608X5R0J226M080AC; Mounted: Yes; Part Description: SMD Multilayer Chip Ceramic Capacitor; Pin Count: 2; SMD: Yes; Sense: No; Socket: No; Status: None; TC: X5R; Tolerance: ±20%; Val: 22uF; Voltage: 6.3V; ~: 22uF
C2 C239 C265 C266 = -: Case: 1210; Comment: =Value; Component Kind: Standard; Component Type: Standard; CreateDate: 04/19/10 00:00:00; Footprint Path: PcbLib\Capacitors SMD.PcbLib; Footprint Ref: CAPC3225X270N; LatestRevisionDate: 04/19/10 00:00:00; Library Name: Capacitors SMD; Library Path: SchLib\Capacitors.SchLib; Library Ref: Capacitor - non polarized; License: This work is licensed under the Creative Commons CC-BY-SA 4.0 License. To the extent that circuit schematics that use Licensed Material can be considered to be ‘Adapted Material’, then the copyright holder waives article 3.b of the license with respect to these schematics.; Manufacturer: GENERIC; Manufacturer1 ComponentHeight: 2.7mm; Manufacturer1 Example: MURATA; Manufacturer1 Part Number: GRM32ER60J107ME20L; Mounted: Yes; Part Description: SMD Multilayer Chip Ceramic Capacitor; Pin Count: 2; SMD: Yes; Sense: No; Socket: No; Status: Preferred; TC: X5R; Tolerance: ±20%; Val: 100uF; Voltage: 6.3V; ~: 100uF
C3 C4 C105 C137 C216 C223 C226-C229 C231 C244-C251 C256-C264 C267 C269 C271 C273 C275 C277 C279 C332-C339 C380 C381 C387-C392 = -: Case: 0201; Comment: =Value; Component Kind: Standard; Component Type: Standard; CreateDate: 05/27/10 00:00:00; Footprint Path: PcbLib\Capacitors SMD.PcbLib; Footprint Ref: CAPC0603X33N; LatestRevisionDate: 05/27/10 00:00:00; Library Name: Capacitors SMD; Library Path: SchLib\Capacitors.SchLib; Library Ref: Capacitor - non polarized; License: This work is licensed under the Creative Commons CC-BY-SA 4.0 License. To the extent that circuit schematics that use Licensed Material can be considered to be ‘Adapted Material’, then the copyright holder waives article 3.b of the license with respect to these schematics.; Manufacturer: GENERIC; Manufacturer1 ComponentHeight: 0.33mm; Manufacturer1 Example: TAIYO YUDEN; Manufacturer1 Part Number: AMK063BJ474MP-F; Mounted: Yes; Part Description: SMD Multilayer Chip Ceramic Capacitor; Pin Count: 2; SMD: Yes; Sense: No; Socket: No; Status: Not Recommended; TC: X5R; Tolerance: ±20%; Val: 470nF; Voltage: 4V; ~: 470nF
C5 C61 C134 C135 = -: Case: 0402; Comment: 100nF; Component Kind: Standard; Component Type: Standard; CreateDate: 12/10/13 00:00:00; Footprint Path: PcbLib\Capacitors SMD.PcbLib; Footprint Ref: CAPC1005X55N; LatestRevisionDate: 05/25/20 00:00:00; Library Name: Capacitors SMD; Library Path: SchLib\Capacitors.SchLib; Library Ref: Capacitor - non polarized; License: This work is licensed under the Creative Commons CC-BY-SA 4.0 License. To the extent that circuit schematics that use Licensed Material can be considered to be ‘Adapted Material’, then the copyright holder waives article 3.b of the license with respect to these schematics.; Manufacturer: GENERIC; Manufacturer1 ComponentHeight: 0.55mm; Manufacturer1 Example: Samsung; Manufacturer1 Part Number: CL05A104KA5NNNC; Mounted: Yes; Part Description: SMD Multilayer Chip Ceramic Capacitor; Pin Count: 2; SMD: Yes; Sense: No; Socket: No; Status: None; TC: X5R; Tolerance: ±10%; Val: 100nF; Voltage: 25V; ~: 100nF